# KiCad board mainboard.kicad_pcb (continued)
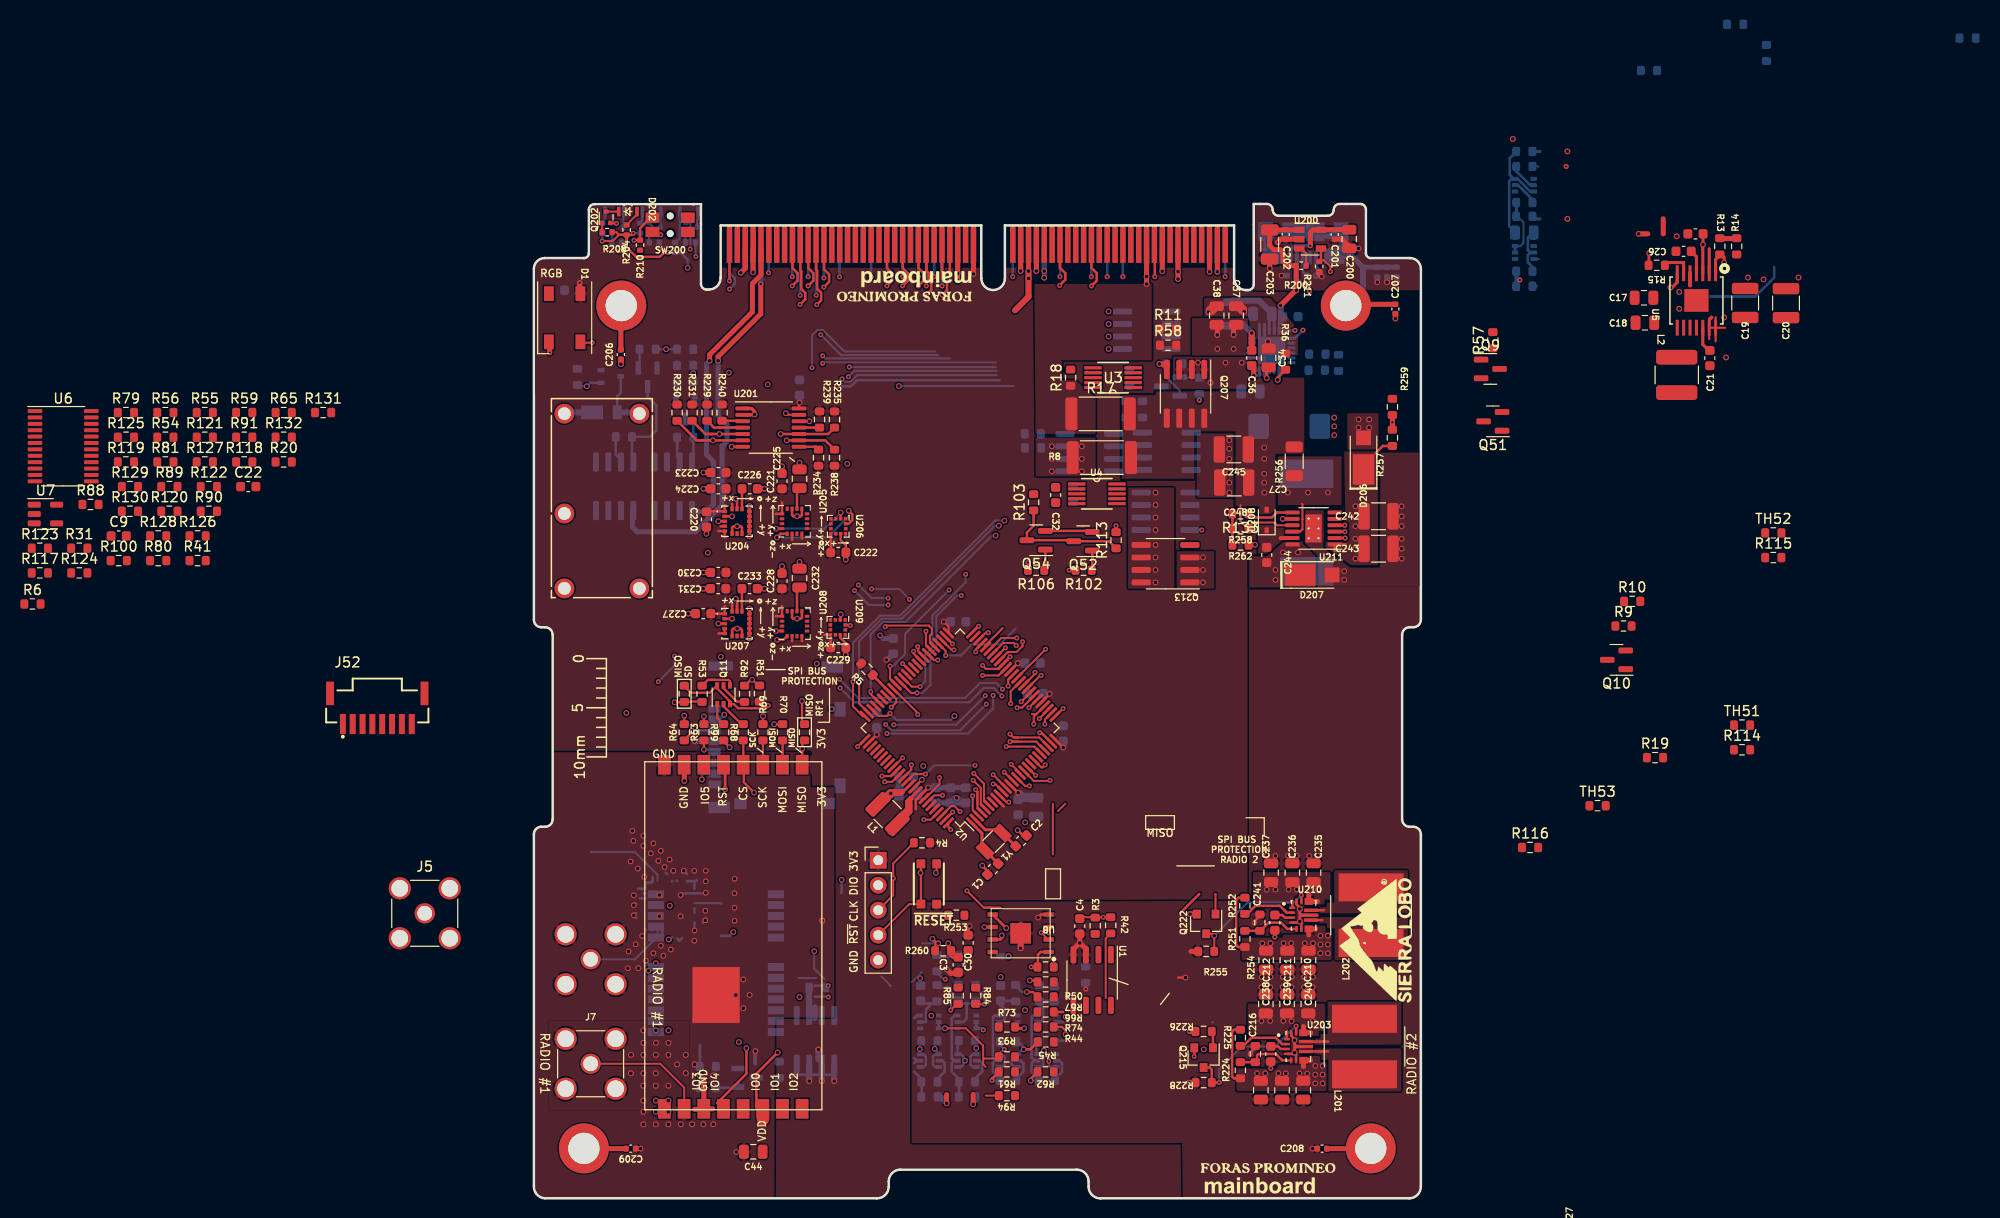
[diagram p0: board, top side]
## Routing (per net, layer and track width the routed paths; a pad name or vN(x,y) marks a point on that pad's centre or on a via; arc(x,y) is an arc through that point) (continued)
  Bottom w0.203: v3(36.59,48.17) 42.93,48.17 v3(45.89,51.13)
MISO_RF1: length 11
  Top w0.235: 19.28,46.62 19.28,46.49 v1(19.89,45.89) ; 27.28,44.11 v1(27.28,45.76) 27.28,46.39 27.51,46.62
  In2.Cu w0.203: v1(19.89,45.89) 20.02,45.76 v1(27.28,45.76)
MISO_SD: length 13.8
  Top w0.235: 17.28,50.53 15.28,50.53 15.21,50.46 v1(14.3,50.46)
  In2.Cu w0.203: v1(17.08,42.6) 14.3,45.38 v1(14.3,50.46)
  Bottom w0.235: J1.7 17.26,43.2 17.08,43.02 v1(17.08,42.6)
MOSI: length 115.4
  Top w0.203: U2.46 45.91,56.27 47.67,58.02
  Top w0.235: 25.28,48.2 24.46,48.2 v1(24.44,48.22) ; 15.28,48.2 15.28,49.1 v1(15.28,49.1)
  In2.Cu w0.203: v3(40.68,93.75) 40.68,90.18 41.04,89.83 41.04,64.65 47.67,58.02 46.98,57.34 46.98,51.45 v3(46.69,51.16) 46.76,51.09 46.76,50.84 51.39,46.2 51.89,46.2 58.8,39.29 64.77,39.29 ; 64.77,39.29 61.92,39.29 ; 64.77,39.29 65.85,39.29 ; v3(35.89,47.28) 35.77,47.28 34.83,48.22 v1(24.44,48.22) 23.62,47.41 17.8,47.41 16.1,49.1 v1(15.28,49.1)
  Bottom w0.203: v3(35.89,47.28) 44.15,47.28 46.69,49.82 v3(46.69,51.16)
  Bottom w0.254: v3(40.68,93.75) 40.68,96.55
  Bottom w0.272: 40.66,96.53 P1.53
MOSI_RF1: length 2.5
  Top w0.235: 25.28,46.62 25.28,44.11
MOSI_SD: length 3.6
  Top w0.235: v1(16.08,47.54) 16.08,47.42 15.28,46.62
  Bottom w0.235: v1(16.08,47.54) 16.15,47.6 J1.3
PA19: length 52
  Top w0.203: v3(35.72,58.14) 35.84,58.27 40.15,58.27 40.46,57.95 40.46,57.44 40.26,57.24 40.26,56.57 U2.55
  Top w0.254: 27.9,96.56 27.9,94.62 28.41,94.11 28.41,93.34 v3(27.88,92.81)
  In2.Cu w0.203: v3(35.72,58.14) 35.26,58.59 ; 35.26,58.59 34.81,59.04 34.81,79.86 34.72,79.95 ; 35.26,58.59 34.83,59.03 ; 34.72,79.95 34.83,79.84 ; 34.72,79.95 34.62,80.05 34.62,86.65 31.3,89.98 28.25,89.98 27.88,90.35 v3(27.88,92.81)
  In2.Cu w0.254: v3(27.88,92.81) 27.97,92.72
  In4.Cu w0.203: v3(27.88,92.81) 28.01,92.68
PB16: length 52.1
  Top w0.203: v3(39.26,52.04) 38.42,52.04 U2.64 37.55,52.86
  In2.Cu w0.203: v3(41.49,92.81) 41.98,92.33 41.98,91.49 ; v3(43.89,63.47) 41.98,65.39 41.98,91.49 ; 41.98,91.49 41.98,91.21
  Bottom w0.203: v3(43.89,63.47) 43.89,62.67 40.52,59.29 40.52,56.05 39.79,55.33 39.79,52.57 v3(39.26,52.04)
  Bottom w0.254: 41.5,96.56 41.5,94.47 41.5,94.67 ; v3(41.49,92.81) 41.48,92.82 P1.55
PB17: length 57.2
  Top w0.203: U2.65 37.2,52.49 ; U2.65 38.35,51.41 v3(38.94,51.41) ; U2.65 38.23,51.54 ; 40.38,93.04 40.13,93.29 40.13,94.1 39.88,94.34 39.88,94.83
  Top w0.254: v3(40.02,92.05) 40.4,92.43 40.4,93.06 40.14,93.32 40.14,94.12 39.88,94.38 P1.52 39.88,94.47
  In2.Cu w0.203: v3(40.02,92.05) 40.02,90.14 40.59,89.57 40.59,64.17 v3(43.45,61.32)
  Bottom w0.203: v3(43.45,61.32) 43,61.32 40.91,59.22 40.91,55.98 40.31,55.38 40.31,52.2 39.51,51.41 v3(38.94,51.41)
PB18: length 56.1
  Top w0.203: 36.37,52.68 U2.66 36.21,52.84 v3(36.21,54.14)
  In2.Cu w0.203: v3(39.89,92.81) 39.54,92.46 39.54,89.87 40.15,89.26 40.15,63.94 v3(42.2,61.88)
  Bottom w0.203: v3(39.89,92.81) 39.9,92.82 39.9,94.47 ; v3(42.2,61.88) 37.73,57.42 37.73,55.36 36.51,54.14 v3(36.21,54.14)
  Bottom w0.254: 39.9,94.67 39.9,94.47 39.9,96.56 ; v3(39.89,92.81) 39.88,92.82 P1.51 39.9,96.55 39.9,93.64
PC03: length 67.6
  Top w0.203: U2.6 45.76,40.47 45.76,42.18 v3(44.72,43.22) ; 28.69,90.84 v3(28.76,90.9)
  Top w0.254: v3(28.76,90.9) 29.2,91.35 29.2,92.1 28.79,92.51 28.79,94.35 28.68,94.46 P1.24
  In2.Cu w0.203: 35.47,80.66 35.28,80.85 35.28,87.18 31.56,90.9 v3(28.76,90.9) ; 35.47,80.63 35.49,80.62 35.49,60.11 36.53,59.07 36.53,57.21 35.28,55.97 35.28,54.26 38.76,50.79 39.76,50.79 43.64,46.91 43.64,44.3 v3(44.72,43.22)
PC05: length 71.3
  Top w0.203: v3(48.02,45.95) 50.88,45.95 U2.21
  In2.Cu w0.203: 25.78,92.38 25.78,89.15 ; 25.78,92.38 25.78,89.01 26.47,88.33 29.96,88.33 32.59,85.7 32.59,63.6 32.34,63.35 32.34,62.08 v3(32.59,61.82) ; 25.78,92.38 25.78,93.27 v3(26.27,93.75) ; v3(48.02,45.95) 46.67,45.95 37.68,54.93 37.68,56.83 36.86,57.66 36.86,59.52 v3(36.02,60.36)
  Bottom w0.203: v3(36.02,60.36) 34.05,60.36 v3(32.59,61.82)
  Bottom w0.254: P1.17 26.27,96.55 v3(26.27,93.75)
PC06: length 70.3
  Top w0.203: U2.22 51.45,46.09 51.44,46.09 51.07,46.46 49.23,46.46 ; 49.23,46.46 48.59,46.46 ; 49.23,46.46 v3(48.4,46.46)
  Top w0.254: P1.18 26.28,94.62 26.8,94.11 26.8,93.34 v3(26.27,92.81)
  In2.Cu w0.203: 26.23,91.27 26.23,92.77 v3(26.27,92.81) ; 26.23,91.27 26.23,89.33 26.9,88.66 28.68,88.66 ; 26.23,91.27 26.23,89.71 ; v3(36.01,61.05) 37.19,59.87 37.19,57.79 38.01,56.97 38.01,55.19 46.75,46.46 v3(48.4,46.46) ; 28.12,88.66 28.68,88.66 ; 28.68,88.66 30.33,88.66 33,85.99 v3(33,62.4)
  Bottom w0.203: v3(33,62.4) 34.34,61.05 v3(36.01,61.05)
PC07: length 67.4
  Top w0.203: 49.19,46.88 48.89,46.88 ; 49.19,46.88 48.74,46.88 v3(48.4,47.22) ; 49.19,46.88 51.37,46.88 U2.23
  In2.Cu w0.203: v3(27.88,93.75) 27.4,93.27 27.4,92.26 27.55,92.1 27.55,90.02 27.92,89.65 30.99,89.65 34.24,86.4 34.24,62.08 v3(34.33,61.99) ; v3(38.18,60.93) 38.18,58.2 39.54,56.84 39.54,54.24 46.56,47.22 v3(48.4,47.22)
  Bottom w0.203: v3(38.18,60.93) 37.12,61.99 v3(34.33,61.99)
  Bottom w0.254: v3(27.88,93.75) 27.88,96.55
PC10: length 55.7
  Top w0.203: 47.37,53.31 U2.40 47.24,53.19 v3(45.61,53.19)
  In2.Cu w0.203: v3(45.61,53.19) 41.63,53.19 40.57,54.25 ; v3(31.07,93.74) 31.07,92.8 36.46,87.4 36.46,82.02 37.3,81.18 37.3,62.53 38.98,60.85 38.98,57.87 39.87,56.98 39.87,54.95 40.57,54.25 ; 40.57,54.25 40.8,54.01
  Bottom w0.254: v3(31.07,93.74) 31.07,96.53
PC11: length 52
  Top w0.203: v3(48.4,55.09) 47.68,54.36 U2.41 47.21,53.86 45.95,53.86 v3(45.61,54.2)
  Top w0.254: v3(41.49,91.87) 42,92.38 42,93.06 41.48,93.57 P1.56 41.48,94.43
  In2.Cu w0.203: 45.99,60.55 46.18,60.36 ; 45.99,60.55 45.86,60.68 ; 45.99,60.55 45.82,60.72 ; 46.18,60.36 41.49,65.05 v3(41.49,91.87) ; 46.18,60.36 48.15,58.39 48.15,56.93 47.45,56.23 47.45,55.34 47.71,55.09 v3(48.4,55.09)
RF1_ANT: length 12.7
  Top w0.203: 15.28,9.11 15.28,11.26 12.85,13.69 J7.1
  vias: v2(12.4,9.94) v2(12.4,8.8) v2(13.67,9.94) v2(13.67,8.8)
RF1_CS: length 31.3
  Top w0.203: R5.2 35.24,52.45 35.24,52.4 ; U2.68 36.85,50.8 36.85,50.46 v3(36.34,49.95)
  Top w0.235: 21.34,44.05 21.34,42.32 v1(22.39,41.27) ; 21.28,46.62 21.28,44.11
  Top w0.254: U2.68 34.75,52.89
  In2.Cu w0.203: v1(22.39,41.27) 31.49,41.27 37.12,46.9 37.12,49.17 v3(36.34,49.95)
RF1_IO0: length 47.1
  Top w0.203: U2.10 46.91,42.14 v3(46.69,42.14)
  Top w0.272: 22.62,9.24 22.62,12.67 v2(24.78,14.83)
  Top w1.27: 23.28,9.11 23.28,8.04
  In2.Cu w0.203: 27.47,14.71 27.45,14.71 28.84,14.71 34.48,20.34 37.88,20.34 43.82,26.27 43.82,29.43 44.64,30.25 44.64,40.09 v3(46.69,42.14)
RF1_IO4: length 51.5
  Top w0.203: U2.9 48.05,40.3 v3(48.28,40.3) ; U2.9 47.3,41.02 ; U2.9 46.85,41.49
  Top w0.254: 18.62,9.69 21.61,12.67 v1(21.61,15.28)
  In2.Cu w0.203: 24.27,15.15 24.56,15.44 25.5,15.44 26.81,14.14 28.91,14.14 34.59,19.82 38.08,19.82 44.27,26.01 44.27,29.25 44.97,29.95 44.97,39.03 46.24,40.3 v3(48.28,40.3)
  vias: v1(68.11,15.15)
RF1_RST: length 25.5
  Top w0.203: 41.07,39.25 U2.97 40.35,38.52 v3(39.64,38.52)
  Top w0.279: 19.28,43.83 19.44,43.68 v1(19.44,41.61)
  In2.Cu w0.203: v3(39.64,38.52) 38.83,39.33 21.72,39.33 v1(19.44,41.61)
RF2_CS: length 19
  Top w0.203: v3(52.47,42.52) 52.4,42.46 50.82,42.46 50.27,43 50.27,43.02 U2.16
  In2.Cu w0.203: 64.76,33.93 64.13,34.56 61,34.56 53.05,42.52 v3(52.47,42.52)
RF2_IO0: length 16
  Top w0.203: U2.13 v3(47.83,43.35)
  In2.Cu w0.203: 58.31,33.12 48.08,43.35 v3(47.83,43.35)
RF2_IO4: length 13.6
  Top w0.203: v3(50.37,41.95) 49.94,41.95 U2.14 49.15,42.79
  In2.Cu w0.203: v3(50.37,41.95) 58.82,33.5
RF2_RST: length 25.1
  Top w0.203: v3(48.47,50.33) 48.47,51.58 U2.36
  In2.Cu w0.203: v3(48.47,50.33) 48.47,49.63 51.45,46.65 52.02,46.65 58.94,39.73 66.12,39.73
RTS_MCU_3: length 52.6
  Top w0.203: v3(49.04,56.24) 48.78,56.49 47.72,56.49 U2.44
  In2.Cu w0.203: 48.61,58.85 48.61,59.52 48.02,60.11 48.02,61.44 43.32,66.14 43.32,87.56 48.71,92.95 52.68,92.95 v3(53.48,93.75) ; 48.61,58.85 48.61,59.23 ; 48.61,58.85 48.61,56.67 v3(49.04,56.24)
  Bottom w0.254: v3(53.48,93.75) 53.48,96.55
RTS_MCU_4: length 47.9
  Top w0.203: U2.58 39.08,55.63 39.08,56.06 v3(39.01,56.12)
  Top w0.254: 29.5,96.44 29.5,94.5 30.01,93.98 30.01,93.22 v3(29.48,92.68)
  In2.Cu w0.203: 39,56.8 39,56.14 v3(39.01,56.12) 39.01,56.9 37.85,58.07 37.85,60.36 36.87,61.34 36.87,80.89 36.07,81.69 36.07,87.33 30.71,92.68 v3(29.48,92.68) ; v3(29.48,92.68) 29.61,92.56 ; v3(29.48,92.68) 29.63,92.53
RX_MCU: length 23.5
  Top w0.203: U2.100 42.15,37.73 v3(42.37,37.5)
  In2.Cu w0.203: 32.59,21.5 37.18,21.5 42.37,26.69 v3(42.37,37.5)
  vias: v1(40.4,18.58)
RX_MCU_2: length 44.2
  Top w0.203: U2.52 v3(42.55,56.4)
  In2.Cu w0.203: v3(37.48,93.75) 37,93.27 37,92.84 ; 37,92.32 37,92.84 ; 37,92.84 37,89.23 38.43,87.8 38.43,62.8 42.55,58.68 v3(42.55,56.4)
  Bottom w0.254: v3(37.48,93.75) 37.48,96.55
  Bottom w0.272: 37.48,96.56 P1.45
RX_MCU_3: length 54.1
  Top w0.203: v3(49.67,56.62) 49.67,56.17 49.08,55.58 48.23,55.58 48.16,55.51 48.1,55.51 47.33,54.73 U2.42
  In2.Cu w0.203: v3(56.68,93.75) 55.22,92.29 49.32,92.29 44.4,87.38 44.4,66.4 48.73,62.06 48.73,60.69 49.67,59.75 v3(49.67,56.62)
  Bottom w0.254: v3(56.68,93.75) 56.68,96.55
RX_MCU_4: length 45.6
  Top w0.203: v3(39.85,57.68) 39.85,56.28 U2.56 40.38,55.75
  In2.Cu w0.203: 35.4,91.21 35.4,92.13 ; 35.4,92.13 35.4,91.66 ; 35.4,92.13 35.4,93.27 ; 35.4,91.66 35.4,91.08 ; 35.4,91.66 35.4,89.56 37.67,87.29 37.67,62.62 39.85,60.44 v3(39.85,57.68) ; v3(35.88,93.75) 35.4,93.27 ; 35.4,93.27 35.4,92.27
  Bottom w0.254: v3(35.88,93.75) 35.88,96.55
SCK: length 112.8
  Top w0.203: v3(44.91,55.59) 44.91,55.81 U2.47
  Top w0.235: v1(23.29,49.05) 23.28,49.04 23.28,48.2 ; v1(17.28,49.02) 17.28,49.02 17.28,48.2
  In2.Cu w0.203: 53.05,43.93 59.6,37.38 66.18,37.38 ; 53.05,43.93 52.81,44.17 ; 53.05,43.93 51.66,45.31 51.39,45.31 ; v1(23.29,49.05) 23.27,49.03 ; v1(23.29,49.05) 22.29,49.05 21.8,48.55 17.75,48.55 v1(17.28,49.02) 17.29,49.03 ; v1(23.29,49.05) 29.87,49.05 ; 51.39,45.31 51.13,45.31 46.18,50.27 v3(45.99,50.27) 45.41,50.85 45.41,51.04 ; 51.39,45.31 51.64,45.31 ; 45.41,51.04 45.41,51.4 46.18,52.17 46.18,54.71 45.3,55.59 v3(44.91,55.59) 44.91,57.25 39.26,62.9 39.26,88.62 38.6,89.28 38.6,92.91 ; 45.41,51.04 45.41,50.9 ; v3(35.76,48.2) 34.9,49.05 29.87,49.05 ; 38.6,92.91 38.6,92.27 ; 38.6,92.91 38.6,93.27 v3(39.08,93.75) ; 31.71,49.05 29.87,49.05
  Bottom w0.203: v3(45.99,50.27) 43.34,47.61 36.34,47.61 v3(35.76,48.2)
  Bottom w0.254: v3(39.08,93.75) 39.08,96.55
  vias: v1(47.45,22.52)
SCK_RF1: length 2.5
  Top w0.235: 23.28,46.62 23.28,44.11
SCK_SD: length 2.2
  Top w0.235: v1(17.28,45.63) 17.28,46.62 17.28,46.62
  Bottom w0.235: v1(17.28,45.63) 18.13,45.63 J1.5
SCL: length 78.6
  Top w0.203: 49.84,52.21 U2.35 50.94,53.35 v3(50.94,53.51)
  Top w0.235: 51.23,15.91 50.48,15.16 49.65,15.16 ; v1(49.8,15.15) 50.43,15.15 R45.2
  In2.Cu w0.203: 47.81,63.96 48.22,63.55 ; 48.22,63.55 45.23,66.54 45.23,86.21 ; 48.22,63.55 50.94,60.83 v3(50.94,53.51) ; v3(50.94,53.51) 50.94,53.31 ; v3(50.94,53.51) 50.94,53.06 51.32,52.68 55.38,52.68 55.95,52.1 55.87,52.18 ; 45.23,86.53 45.23,87.27 ; 45.23,86.53 45.23,86.21 ; 45.23,86.53 45.23,87.22 ; 45.23,87.27 45.23,86.21 ; 45.23,87.27 49.59,91.63 56.52,91.63 58.28,93.39 v3(58.28,93.75)
  Bottom w0.235: 49.65,15.51 49.8,15.37 v1(49.8,15.15) 49.8,15.4 49.04,16.17 ; 49.65,15.51 49,16.17 ; 49.65,15.51 49.65,15.16 ; 44.81,16.17 44.96,16.02 v1(44.96,15.27) 44.97,15.26 Q15.1 44.62,14.66 44.38,14.42 44.38,13.6 44.62,13.36 Q15.3
  Bottom w0.254: Q7.3 48.83,13.36 48.58,13.6 48.58,14.41 48.83,14.66 Q7.1 49.65,15.15 v1(49.8,15.15) ; v3(58.28,93.75) 58.28,96.55
SCL_IMU: length 59.8
  Top w0.235: 51.23,20.49 50.73,20.99 v1(50.12,20.99)
  Top w0.254: U201.12 v1(28,79.05)
  In2.Cu w0.203: v1(28,79.05) 29.73,77.32 29.73,62.46 33.05,59.14 33.05,53.84 v3(31.13,51.92) 31.51,52.3
  Bottom w0.203: 36.02,50.46 44.27,50.46 45.74,51.92 46.75,51.92 v3(47.58,51.09) ; 36.02,50.46 32.59,50.46 v3(31.13,51.92) ; 36.02,50.46 32.78,50.46 ; R97.1 47.39,15.6 v3(47.83,15.15) 47.75,15.15 Q7.6
  Bottom w0.235: 47.42,16.17 47.25,15.99 ; 48.97,21.65 49.63,20.99 v1(50.12,20.99) ; 47.25,14.67 Q7.6 47.61,14.66 47.85,14.42 47.85,13.6 47.61,13.36 Q7.4
SCL_PWR: length 8.5
  Top w0.203: 45.61,19.75 44.94,19.75 R84.2
  Top w0.235: 44.77,19.68 44.91,19.82 44.91,19.98
  Bottom w0.203: 43.66,14.42 43.66,14.18 v1(43.83,14.01) 43.66,13.84 43.66,13.6 ; 45.39,20.96 45.8,20.55 v3(45.8,19.75) ; 45.39,20.96 44.91,21.44 ; 45.39,20.96 45.61,20.73
  Bottom w0.235: Q15.4 43.42,13.36 43.66,13.6 43.66,14.42 43.42,14.66 Q15.6 43.07,15.34 43.08,15.35 43.08,16.01 43.23,16.17 ; 44.91,21.4 45.27,21.4
  vias: v1(54.05,18.45)
SD_CS: length 33.3
  Top w0.203: 22.05,52.74 22.24,52.74 22.81,52.17 ; U2.87 38.37,43.61 v3(38.37,44.11)
  Top w0.235: 21.28,52.11 21.42,52.11 22.05,52.74
  In2.Cu w0.203: v3(38.37,44.11) 38.37,48.66 35.97,51.05 34.01,51.05 33.67,51.4 23.4,51.4 22.05,52.74 20.08,52.74 19.36,52.02 v1(19.36,49.19)
  Bottom w0.235: v1(19.36,49.19) 18.86,48.7 J1.2
  vias: v1(22.18,52.74)
SDA: length 73
  Top w0.203: 50.79,52.49 U2.34 51.48,53.19 v3(51.58,53.19)
  Top w0.235: 52.81,17.44 53.67,17.44 54.05,17.06
  In2.Cu w0.203: 45.61,86.46 45.61,86.14 ; 45.61,86.14 45.61,66.63 51.32,60.91 51.32,54.9 51.58,54.65 v3(51.58,53.19) 55.64,53.19 ; 45.61,86.14 45.61,86.97 49.94,91.3 57.43,91.3 v3(59.88,93.75)
  Bottom w0.235: 41,15.99 40.74,15.74 v1(40.74,15.21) 41.16,14.79 41.16,14.66 40.81,14.66 40.57,14.42 40.57,13.6 40.81,13.36 41.16,13.36 ; 53.16,15.81 52.94,16.04 53.8,16.04
  Bottom w0.254: v3(59.88,93.75) 59.88,96.55 ; 52.77,13.36 Q8.3 52.52,13.36 52.34,13.54 52.34,14.45 52.54,14.66 Q8.1 52.77,14.66
  vias: v1(54.05,16.68) v3(52.34,13.94)
SDA_IMU: length 76.3
  Top w0.203: v1(25.61,79.86) 25.77,79.7 U201.13
  Top w0.235: v1(50.42,22.17) 51.08,22.17 51.23,22.01
  In2.Cu w0.203: 57.55,51.35 56.09,51.35 55.13,52.3 50.18,52.3 49.35,51.47 47.96,51.47 v3(47.64,51.79) ; v3(31.07,52.81) 32.72,54.46 32.72,59.01 29.09,62.64 29.09,76.38 v1(25.61,79.86) ; 47.7,51.92 47.58,51.92
  Bottom w0.203: 37.86,50.9 34.62,50.9 ; 37.86,50.9 39.64,50.9 ; 37.86,50.9 35.7,50.9 ; 40.02,50.9 32.97,50.9 v3(31.07,52.81) ; 40.02,50.9 39.64,50.9 ; 40.02,50.9 40.4,50.9 ; v3(47.64,51.79) 47.01,52.43 45.35,52.43 43.83,50.9 39.64,50.9
  Bottom w0.235: 51.36,16.17 51.08,15.88 51.08,14.78 51.2,14.66 ; 51.39,21.65 51.36,21.65 50.85,22.17 v1(50.42,22.17) ; 51.2,14.66 51.47,14.66 v1(51.84,15.02) ; 51.2,14.66 51.55,14.66 51.79,14.42 51.79,13.6 51.55,13.36 51.2,13.36
SDA_PWR: length 8.4
  Top w0.203: R85.2 43.01,19.79 42.5,19.28
  Top w0.235: 43.1,19.82 43.28,19.82
  Bottom w0.203: 42.41,19.23 42.41,21.2 42.18,21.44 40.97,21.44
  Bottom w0.235: Q16.4 39.61,13.36 39.85,13.6 39.85,14.42 39.61,14.66 Q16.6 39.23,14.69 v1(39.23,15.19) ; v1(39.23,15.19) 39.23,15.87 39.4,16.04 ; v1(39.23,15.19) 39.23,15.3 39.26,15.33
  vias: v3(42.37,19.15)
STAT: length 43.2
  Top w0.279: 74.25,84.7 74.27,84.7 74.5,84.47
  Top w0.3: v1(74.5,83.44) 74.5,84.47
  In2.Cu w0.203: v3(31.32,83.34) 31.24,83.41 31.24,85.12 29.71,86.65 21.54,86.65 16.46,91.73 v3(16.46,95.8)
  Bottom w0.203: v3(31.32,83.34) 31.57,83.08 32.2,83.08 32.84,83.73 47.07,83.73
  Bottom w0.235: R209.2 16.44,95.82
  Bottom w0.3: v1(74.5,83.44) 74.26,83.68 U17.11
SWCLK: length 25.2
  Top w0.203: v3(41.23,42.8) 41.23,42.15 39.76,40.67 U2.93 ; R4.2 36.53,34.07 v3(36.53,32.55) 36.53,30.84 J2.3
  In2.Cu w0.203: v3(41.23,42.8) 41.04,42.6 41.04,34.05 39.54,32.55 v3(36.53,32.55)
SWDIO: length 17
  Top w0.203: v3(41.54,41) 40.71,41 U2.94
  In2.Cu w0.203: v3(41.54,41) 41.54,32.68 40.72,31.85 J2.2
TX_MCU: length 26.7
  Top w0.203: U2.99 41.83,38.55 v3(42.56,39.28)
  In2.Cu w0.203: v3(42.56,39.28) 42.94,38.9 42.94,26.8 37.26,21.12 33.35,21.12 32.59,20.36
TX_MCU_2: length 45.9
  Top w0.203: v3(42.7,55.79) 42.46,55.79 U2.53
  Top w0.254: v3(37.48,92.81) 38.01,93.34 38.01,94.11 37.5,94.62 37.5,96.56
  In2.Cu w0.203: v3(42.7,55.79) 43.11,56.2 43.11,58.59 38.88,62.82 38.88,88.3 37.48,89.7 v3(37.48,92.81) 37.48,92.31
TX_MCU_3: length 55.5
  Top w0.203: U2.43 47.92,55.99 v3(47.94,55.99)
  Top w0.254: P1.86 56.68,94.64 57.22,94.11 57.22,93.34 v3(56.68,92.81)
  In2.Cu w0.203: v3(56.68,92.81) 55.83,91.96 49.45,91.96 44.78,87.29 44.78,66.52 50.16,61.15 50.16,56.38 49.51,55.74 48.19,55.74 v3(47.94,55.99)
TX_MCU_4: length 46.5
  Top w0.203: U2.57 40.67,54.75 v3(41.06,54.75)
  Top w0.254: v3(35.88,92.81) 36.41,93.34 36.41,94.11 35.9,94.62 35.9,96.56
  In2.Cu w0.203: v3(35.88,92.81) 35.93,92.76 ; v3(35.88,92.81) 35.99,92.7 ; v3(35.88,92.81) 35.88,92.29 ; v3(41.06,54.75) 41.06,59.7 38.05,62.71 38.05,87.54 35.88,89.71 35.88,92.29 ; 35.88,92.29 35.88,91.73
USB_D+: length 41.4
  Top w0.203: U2.75 33.45,49.03 32.43,50.05 v3(32.43,52.54)
  In2.Cu w0.203: 78.83,92.25 v3(78.86,92.28) 78.63,92.28 78.54,92.18 78.54,88.84 78.82,88.56 78.82,87.92 78.69,87.8 77.85,87.8 v3(77.37,88.28) 77.37,88.47 77.26,88.58 76.74,88.58 76.41,88.26
  Bottom w0.203: v1(47.83,68.94) 46.89,68.94 37.24,59.28 35.21,59.28 32.43,56.51 v3(32.43,52.54) ; v3(78.86,92.28) 78.86,93.54 Z200.1 78.21,94.18 J200.3
  Bottom w0.254: v3(78.86,92.28) 78.86,92.15
  Bottom w0.272: v3(77.37,88.28) 77.34,88.25 U17.24
USB_D-: length 38.7
  Top w0.203: v3(33.07,52.53) 33.07,50.33 U2.74
  In2.Cu w0.203: v3(78.31,92.88) 78.31,92.6 78.08,92.37 78.08,88.4 v3(78.18,88.3) 77.45,89.04 76.55,89.04 76.09,88.58
  Bottom w0.203: v1(47.26,68.41) 46.85,68.41 37.38,58.95 35.35,58.95 33.07,56.67 v3(33.07,52.53) ; v3(78.31,92.88) 77.52,93.67 Z201.1 77.56,93.89 J200.2
  Bottom w0.272: U17.1 77.38,87.5 v3(78.18,88.3)
VBURN1: length 42.8
  Top w0.508: v3(23.07,93) 23.07,89.96 18.73,85.62 v1(18.73,85.19)
  Bottom w0.508: 23.08,94.31 P1.9 23.08,93.02 v3(23.07,93) ; 10.04,69.96 10.04,68.25 10.49,67.79 16.4,67.79 19.13,70.52 19.13,76.49 19.64,77 19.64,78.71 18.73,79.63 v1(18.73,85.19)
VBURN2: length 30.9
  Top w0.508: v1(17.86,85.19) 17.86,85.81 22.21,90.17 22.21,93.04 23.08,93.92 P1.10
  Bottom w0.508: v1(17.86,85.19) 17.54,84.87 17.54,75.67 18.24,74.97 18.24,70.59 17.52,69.86 16.23,69.86
VCHRG: length 7.7
  Top w0.203: 71.83,70.52 71.83,68.87 72.6,68.11 R258.1 72.66,68.3 73.1,68.75 75.26,68.75 75.54,68.46 U211.9
  vias: v1(74.25,76.37) v1(74.25,75.22) v1(74.25,73.7) v1(74.25,72.81) v1(74.25,71.79)
VCHRG_USB: length 3
  Top w0.508: 114.81,98.11 114.81,99.63
  Bottom w0.279: U17.13 72.81,85 ; U17.14 72.8,85.5
  Bottom w0.3: U17.14 72.48,85.5 ; U17.13 72.49,85
  vias: v1(67.52,85) v1(68.79,82.97) v1(70.31,85) v1(71.96,85)
VSOLAR: length 9.4
  Top w0.508: P1.7 22.28,94.25 ; P1.117 69.48,94.21
  Bottom w0.508: P1.117 v1(69.48,94.25) ; P1.7 v1(22.28,94.19)
  vias: v1(83.84,79.22) v1(83.84,78.39) v1(84.91,79.22) v1(84.91,78.39)
WDT_WDI: length 27.2
  Top w0.203: v3(36.2,49.33) 35.95,49.08 35.03,49.08 U2.73
  In2.Cu w0.203: 55.3,38.47 51.58,42.2 51.58,43.35 51.26,43.66 49.35,43.66 ; 49.35,43.66 48.28,43.66 42.88,49.06 v1(42.75,49.06) ; 49.35,43.66 48.91,43.66
  Bottom w0.203: v3(36.2,49.33) 36.85,48.68 42.37,48.68 v1(42.75,49.06)
~{CHRG_SHDN}: length 1
  Top w0.254: U211.3 v3(82.45,67.81)
~{CHRG}: length 26.1
  Top w0.203: v1(40.52,26.4) 40.78,26.13 40.78,25.18 ; U2.15 49.45,43.23 v3(48.53,44.15)
  Top w0.254: U211.4 v3(82.43,68.46)
  In2.Cu w0.203: v3(48.53,44.15) 51.24,44.15 51.91,43.48 52.55,43.48 60.88,35.15 64.28,35.15 65.17,34.26
  Bottom w0.203: v1(41.1,25.95) 39.45,25.95
~{RESET}: length 152.1
  Top w0.203: 11.1,99.01 11.84,99.75 SW200.1 11.88,99.75 ; v3(39.81,43.15) 38.62,43.15 U2.88 ; J2.4 38.16,29.93 SW1.A' ; R42.1 v3(57.87,28.6) 55.63,28.6 C4.2
  Top w0.235: SW1.A' 39.35,33.06 ; SW1.A 39.35,33.15 ; R210.2 10.2,97.47 v3(10.18,97.45)
  Top w0.254: SW200.1 11.87,99.75 10.8,98.68 R210.2
  In2.Cu w0.203: 32.89,59.77 33.11,59.55 ; 32.89,59.77 30.3,62.35 30.3,83.73 ; 32.89,59.77 33.38,59.28 33.38,54.11 38.94,48.55 38.94,43.66 39.45,43.15 v3(39.81,43.15) 40.71,42.25 40.71,34.51 v1(39.3,33.1) ; v3(44.85,44.04) 46.43,44.04 48.69,41.79 48.69,40.96 53.54,36.12 53.54,31.17 ; 42.75,85.84 42.75,87.46 48.68,93.39 v3(48.68,93.75) ; v3(10.18,97.45) 10.18,96.85 21.33,85.7 v3(29.35,85.7) 30.3,84.75 30.3,83.73 ; 30.3,83.73 30.3,83.54
  Bottom w0.203: v3(29.35,85.7) 29.62,85.43 42.34,85.43 ; v3(44.85,44.04) 40.7,44.04 v3(39.81,43.15)
  Bottom w0.254: v3(48.68,93.75) 48.68,96.55 ; 48.66,96.54 P1.65
Net-(C6-Pad1): length 12.2
  Bottom w0.272: Q3.3 99.61,103.71 99.2,104.12 99.2,105.79 99.9,106.49 ; Q3.3 99.39,103.71 99.15,103.47 99.15,98.88 99.9,98.13 99.9,98.11 ; Q3.3 99.99,103.71 101.29,102.41 Q3.6
Net-(C6-Pad2): length 4.4
  Bottom w0.272: 101.48,94.3 101.48,94.77 101.05,95.2 101.05,95.96 101.29,96.2 101.05,96.44 101.05,97.71 101.45,98.11 101.48,98.11
Net-(C8-Pad1): length 4.2
  Bottom w0.272: 48.97,20.08 47.45,20.08 47.45,19.64 47.82,19.27 47.82,18.18 47.59,17.95 Q12.5
Net-(C12-Pad2): length 17.6
  Top w0.254: 38.92,41.33 38.24,40.65 38.24,40.61 ; U2.89 37.55,41.38 37.48,41.38
  Top w0.272: 36.11,37.19 36.08,37.16
  Top w0.508: 35.47,40.13 36.72,41.38 ; 37,38.61 38.24,39.85 ; 36.02,41.19 v1(36.27,41.19) 37.29,41.19 ; 37.35,41.25 37.48,41.38 36.21,41.38 34.97,40.13 34.97,40.08 ; 37.99,39.09 37.99,40.36 38.34,40.71 ; 38.24,40.61 38.24,39.34 37,38.1 L1.2
  Bottom w0.508: C12.2 37.1,42.83 C14.1 v1(36.27,41.19)
Net-(C21-Pad2): length 2.7
  Top w0.305: 119.55,86.26 119.42,86.26 118.84,86.84 U5.12
Net-(C26-Pad1): length 2.4
  Top w0.305: 117.67,96.33 117.67,96.3 118.19,95.79 U5.4
Net-(C27-Pad1): length 5.2
  Top w0.279: 118.85,98.4 v1(118.85,97.03) ; v1(113.39,96.14) 113.36,96.11 113.36,95.25
  Top w0.305: v1(118.85,97.03) 118.84,97.01 U5.3
Net-(C35-Pad2): length 8.2
  Bottom w0.279: 74.76,89.68 75.06,89.98 75.26,89.78
  Bottom w0.3: U17.21 74.76,89.68 ; U17.22 75.26,89.78
  Bottom w0.61: 71.07,91.33 73.71,91.33 75.06,89.98
Net-(C36-Pad1): length 5.2
  Top w0.61: 72.98,86.27 v1(72.98,88.02)
  Bottom w0.272: 72.79,87 72.79,87.5 ; 73.23,87 73.23,87.5
  Bottom w0.61: v1(72.98,88.02) 72.07,88.93 71.07,88.93 ; 72.98,87.64 72.98,87.77
Net-(C36-Pad2): length 3.5
  Top w0.508: C36.2 73.18,84.51 v1(73.18,83.68)
  Top w0.61: 73.1,84.7 73.13,84.7
  Bottom w0.279: v1(73.18,83.68) 73.31,83.55 73.32,83.55
  Bottom w0.3: 73.76,83.73 73.71,83.68 v1(73.18,83.68) 73.18,84.1 73.33,84.25 U17.12 73.76,83.73
Net-(C40-Pad1): length 4.2
  Bottom w0.272: 51.2,17.95 51.52,17.95 51.76,18.18 51.76,19.27 51.39,19.64 51.39,20.08 52.91,20.08
Net-(C41-Pad1): length 4.4
  Bottom w0.272: 43.13,19.82 44,19.82 ; 44,19.82 44.88,19.82 44.91,19.85 ; 44,19.82 44,18.3 43.64,17.95 Q18.5
Net-(C42-Pad1): length 4.2
  Bottom w0.203: 39.88,19.23 39.89,19.24
  Bottom w0.254: Q19.5 39.81,17.95 39.86,17.99 39.86,19.2 39.88,19.23
  Bottom w0.272: 39.89,19.24 40.19,19.53 40.19,19.82 ; 40.19,19.82 41.1,19.82 ; 40.19,19.82 39.45,19.82
Net-(C200-Pad1): length 8.2
  Top w0.508: 82.7,98.54 80.05,98.54 U200.5 79.21,98.51 78.93,98.23 v3(78.93,96.9)
  Bottom w0.381: J200.1 76.91,96.41 77.4,96.9 v3(78.93,96.9)
Net-(C216-Pad2): length 1.8
  Top w0.254: C216.2 75.67,15.46 75.93,15.19 U203.3
Net-(C225-Pad1): length 2.2
  Top w0.254: C225.1 26.74,71.98 26.74,70.15
Net-(C226-Pad1): length 2
  Top w0.254: 21.16,72.17 21.15,72.17 U204.14
Net-(C232-Pad1): length 2.5
  Top w0.254: C232.1 26.74,61.88 U208.10
Net-(C233-Pad1): length 2.3
  Top w0.254: U207.14 21.15,59.72 C233.1
Net-(C241-Pad2): length 1.8
  Top w0.254: C241.2 76.08,28.82 76.34,28.55 76.97,28.55
Net-(C242-Pad1): length 3.8
  Top w0.254: 81.41,65.84 U211.1 82.54,66.51 ; 85.55,75.78 86.3,76.53 R257.1
  vias: v1(83.52,70.4) v1(83.52,69.38) v1(83.52,68.36) v1(83.52,67.09) v1(83.52,66.08) v1(83.52,65.06)
Net-(C244-Pad1):
  vias: v1(75.39,63.92) v1(75.39,62.9) v1(76.15,65.7) v1(77.68,65.7)
Net-(C244-Pad2): length 1.2
  Top w0.406: U211.11 75.92,67.16
Net-(D1-Pad4): length 87
  Top w0.203: v3(5.92,87.03) 4.82,87.03 D1.4 ; U2.71 34.24,51.28 v3(34.24,51.54)
  In2.Cu w0.203: v3(28.27,84.49) 28.02,84.75 20.53,84.75 17.35,87.92 6.81,87.92 v3(5.92,87.03) ; 47.07,86.8 46.62,86.36 46.62,84.81 ; 46.62,84.81 46.62,67.73 v1(46.94,67.41) ; 46.62,84.81 46.62,85.13
  Bottom w0.203: 34.24,52.36 34.24,52.87 ; 34.24,52.87 v3(34.24,51.54) ; 34.24,52.87 34.24,57.38 35.48,58.62 37.77,58.62 46.56,67.41 v1(46.94,67.41) ; 40.79,86.14 31.58,86.14 29.39,88.33 28.81,88.33 28.27,87.8 v3(28.27,84.49)
Net-(D4-PadA): length 6.2
  Bottom w0.254: 8.38,80.02 D4.A 8.46,81.57 8.83,81.94 Q6.3
  Bottom w0.61: D4.A 10.59,79.95 U16.5
Net-(D200-Pad1): length 1.6
  Bottom w0.203: Q200.3 D200.1
Net-(D200-Pad2): length 1.4
  Bottom w0.203: D200.2 7.22,99.65 6.96,99.39 R202.2 7.06,99.19
Net-(D201-Pad1): length 1.6
  Bottom w0.203: Q201.3 12.87,100.36 D201.1
Net-(D201-Pad2): length 1.3
  Bottom w0.203: R203.2 11.02,99.42 D201.2
